# Altium PCB FOC_V1.1.PcbDoc (part 1 of 2)
Units mil, origin at the board's own origin, x right, y up, seen from the top; angles counter-clockwise.
Board outline 1873.97 x 3351.97 mil, 4 copper layers (Top Layer, Signal Layer 1, Internal Plane 1, Bottom Layer), stack 30.634 mil thick; 230 components, 135 nets, 782 pads, 565 vias.
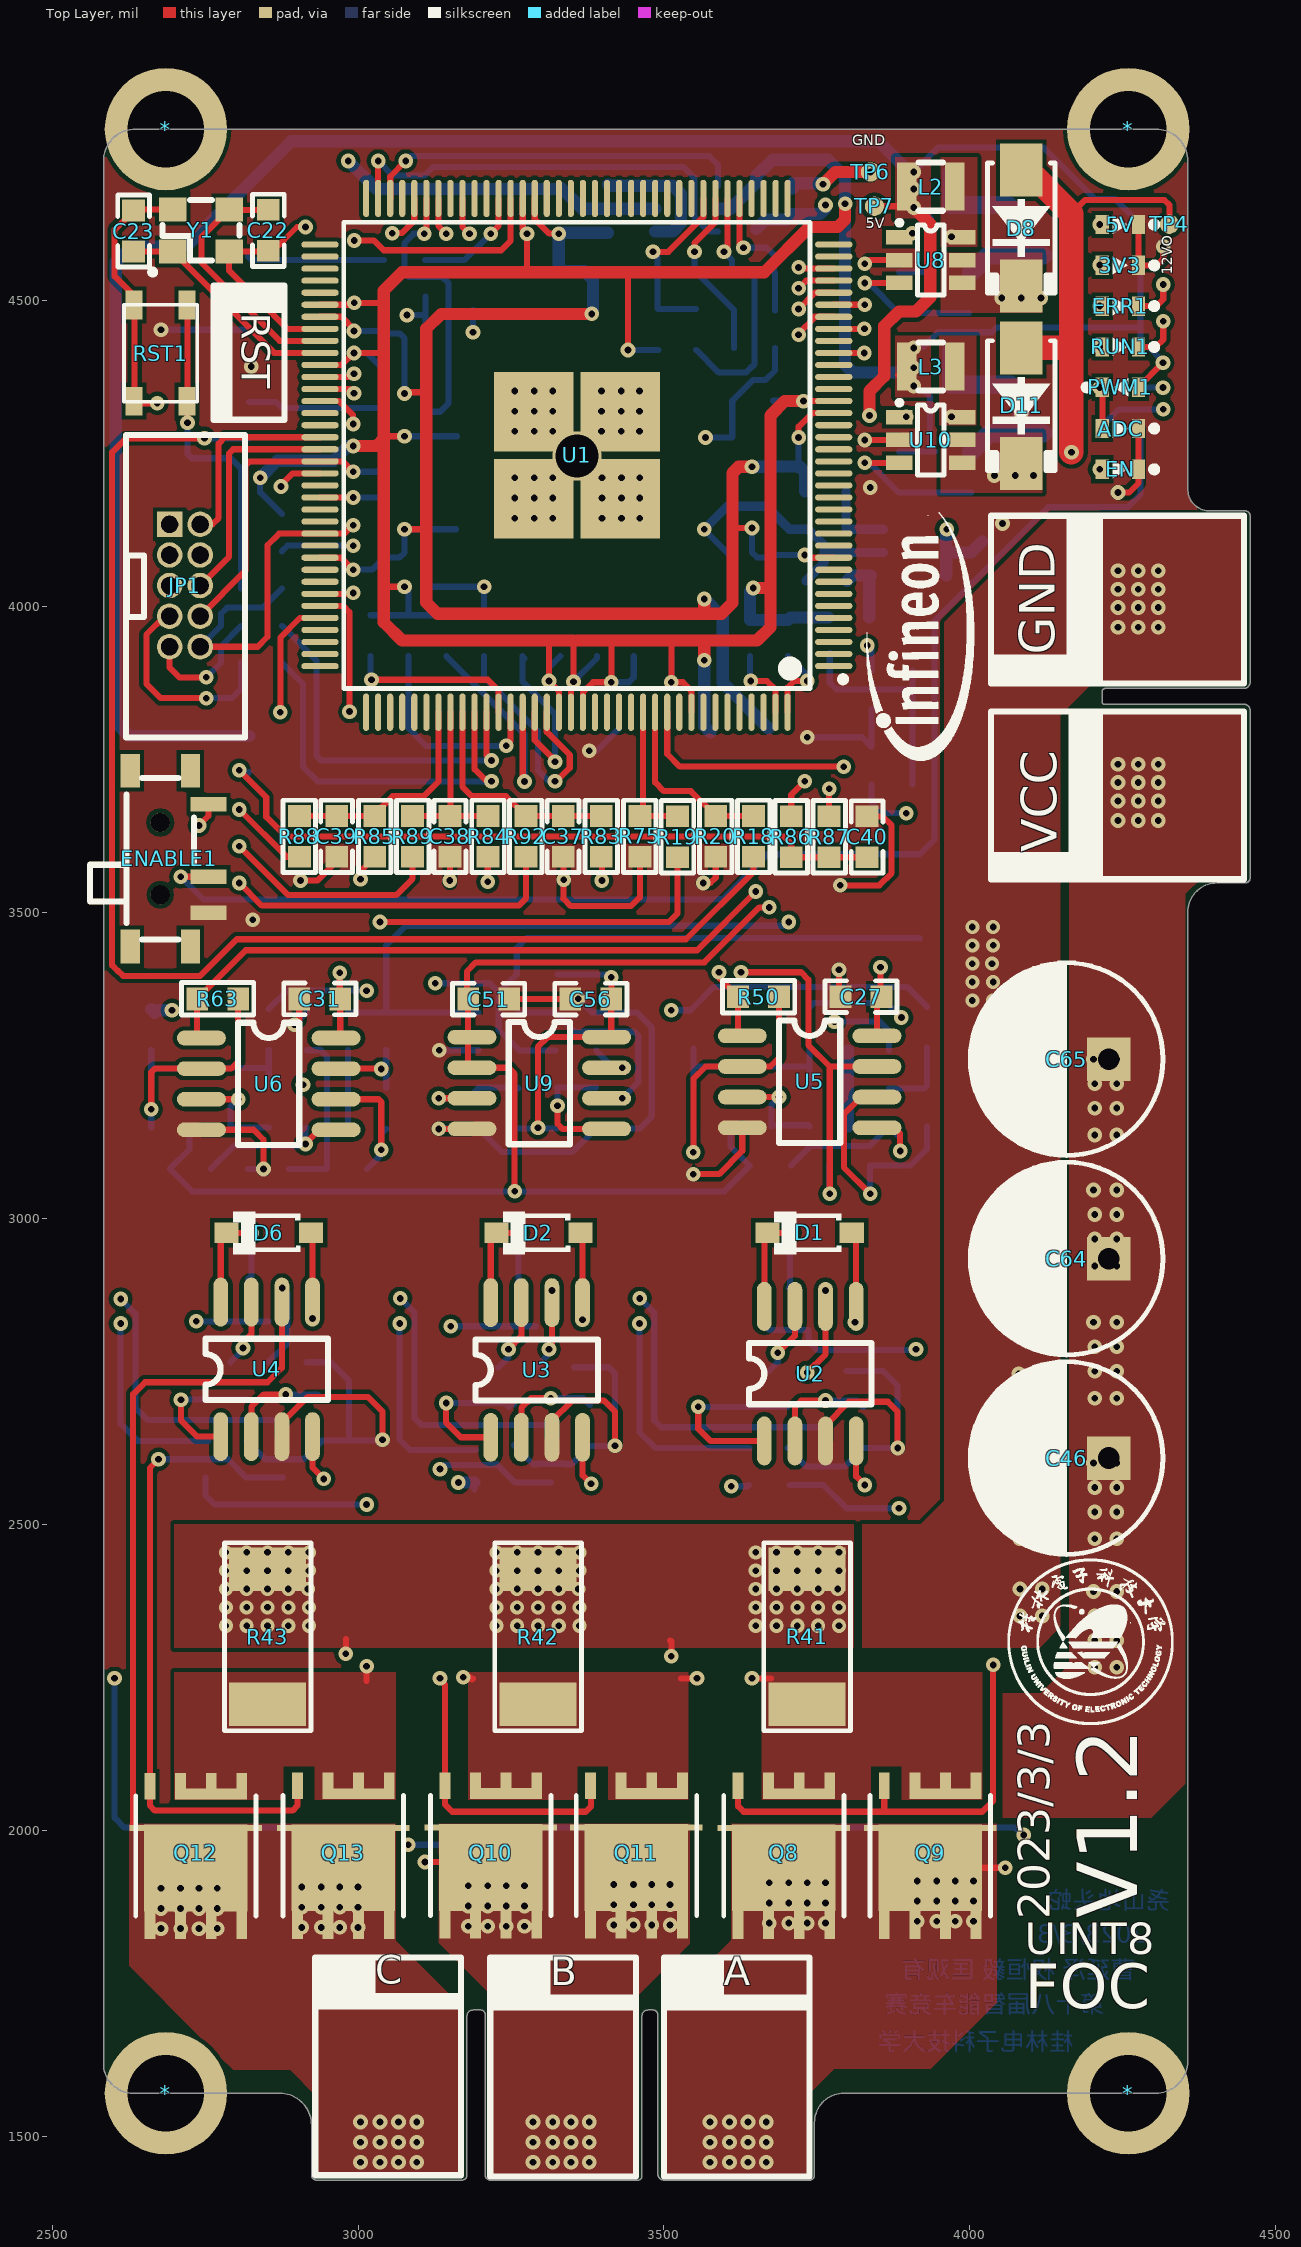
[diagram p0: Top Layer view]
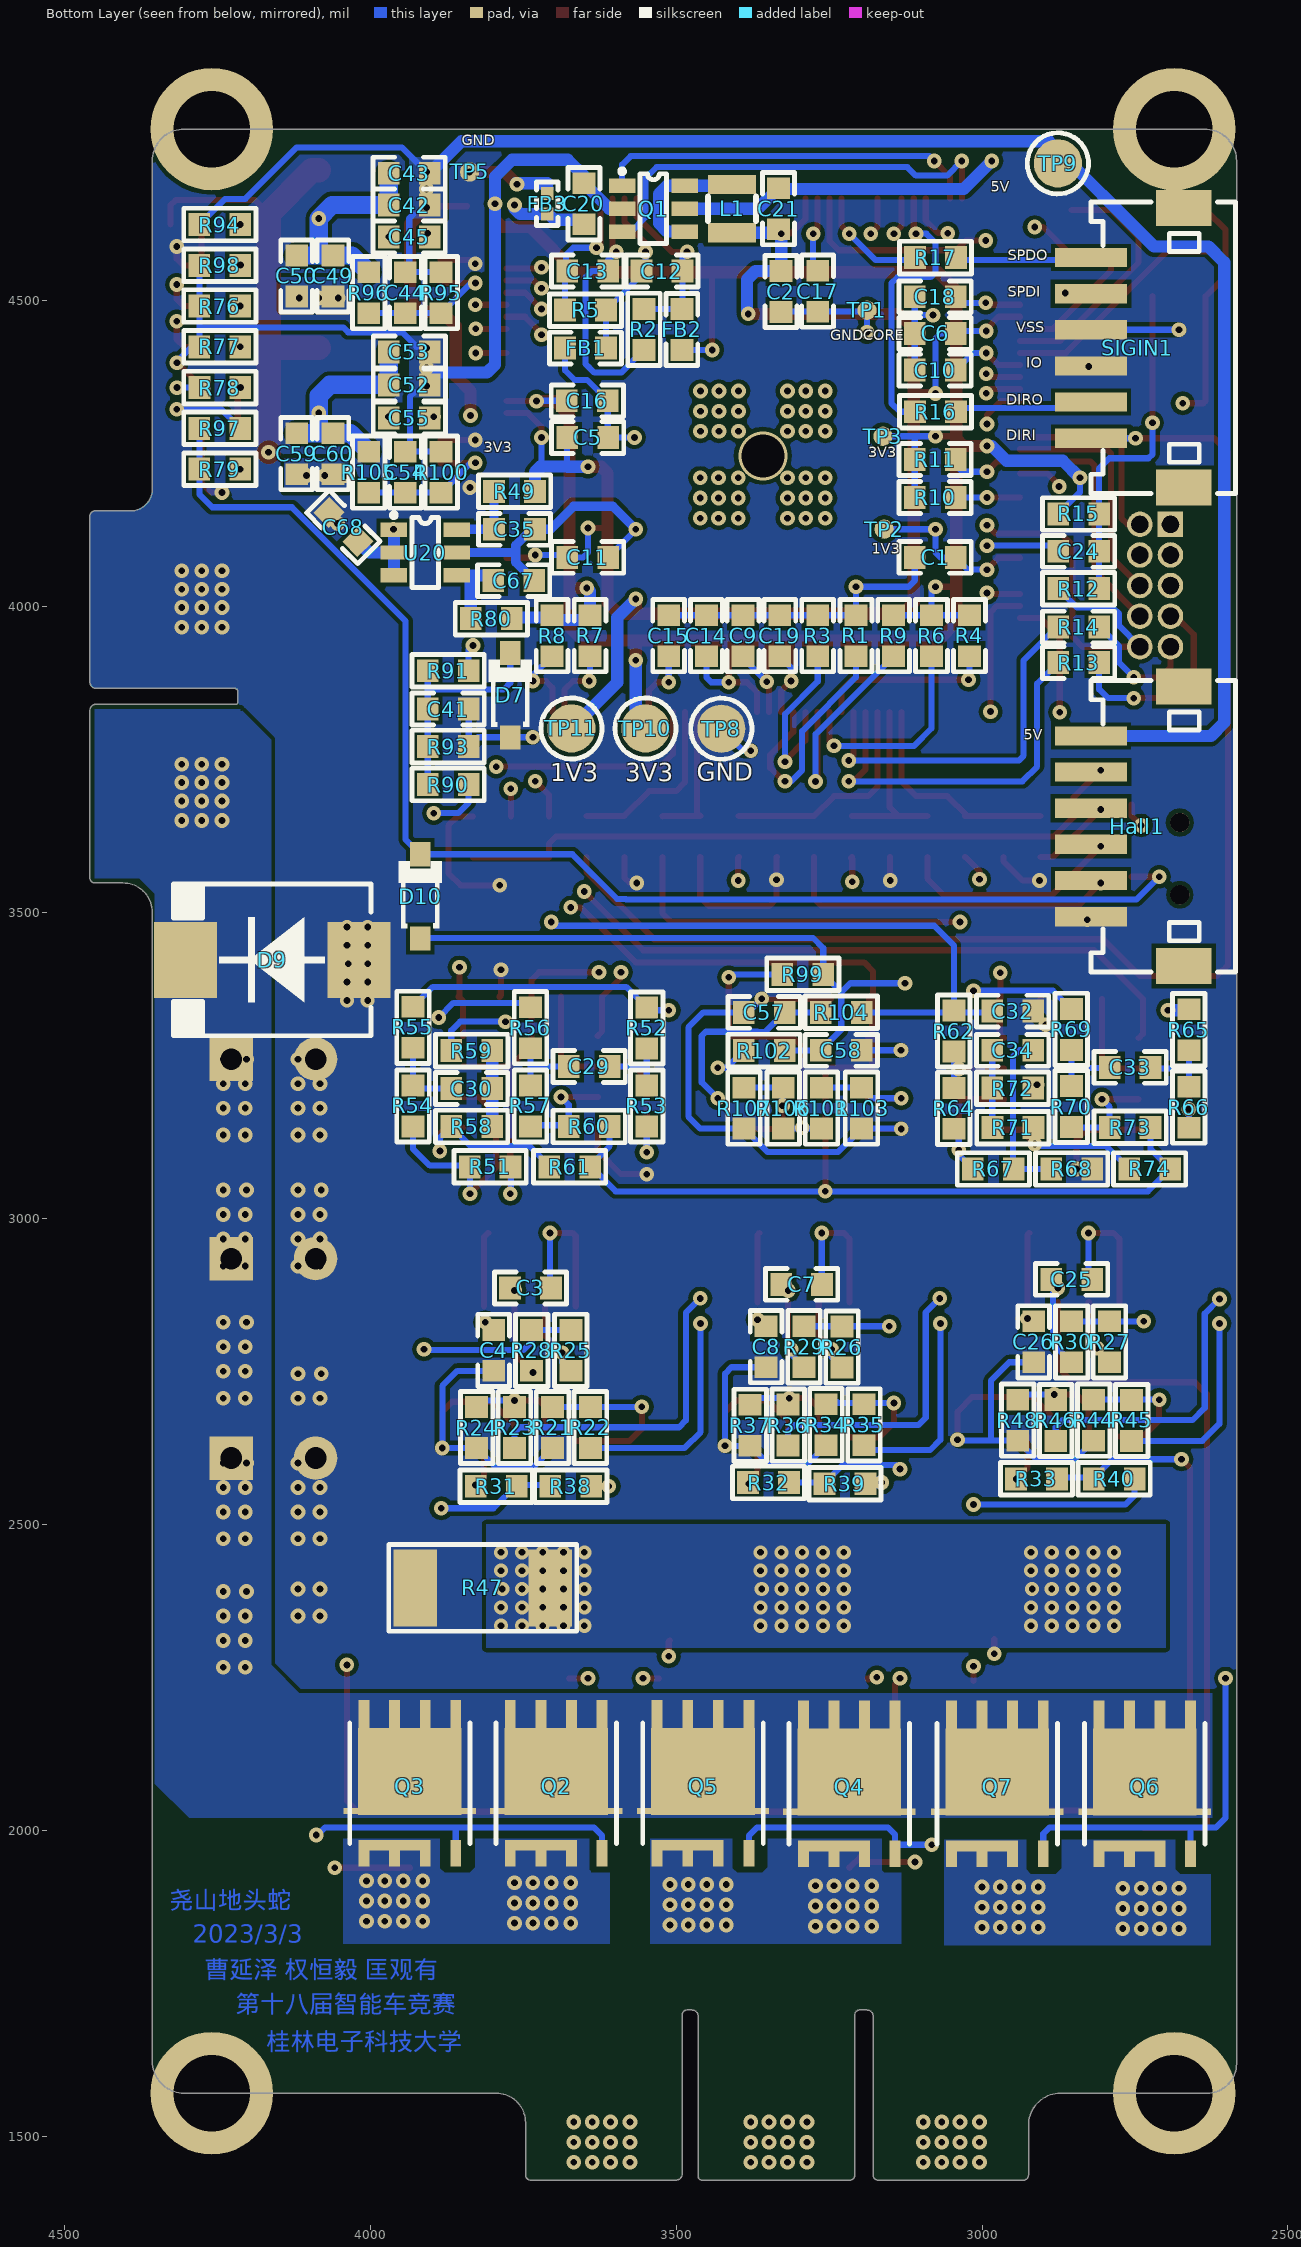
[diagram p1: Bottom Layer view, seen from below]
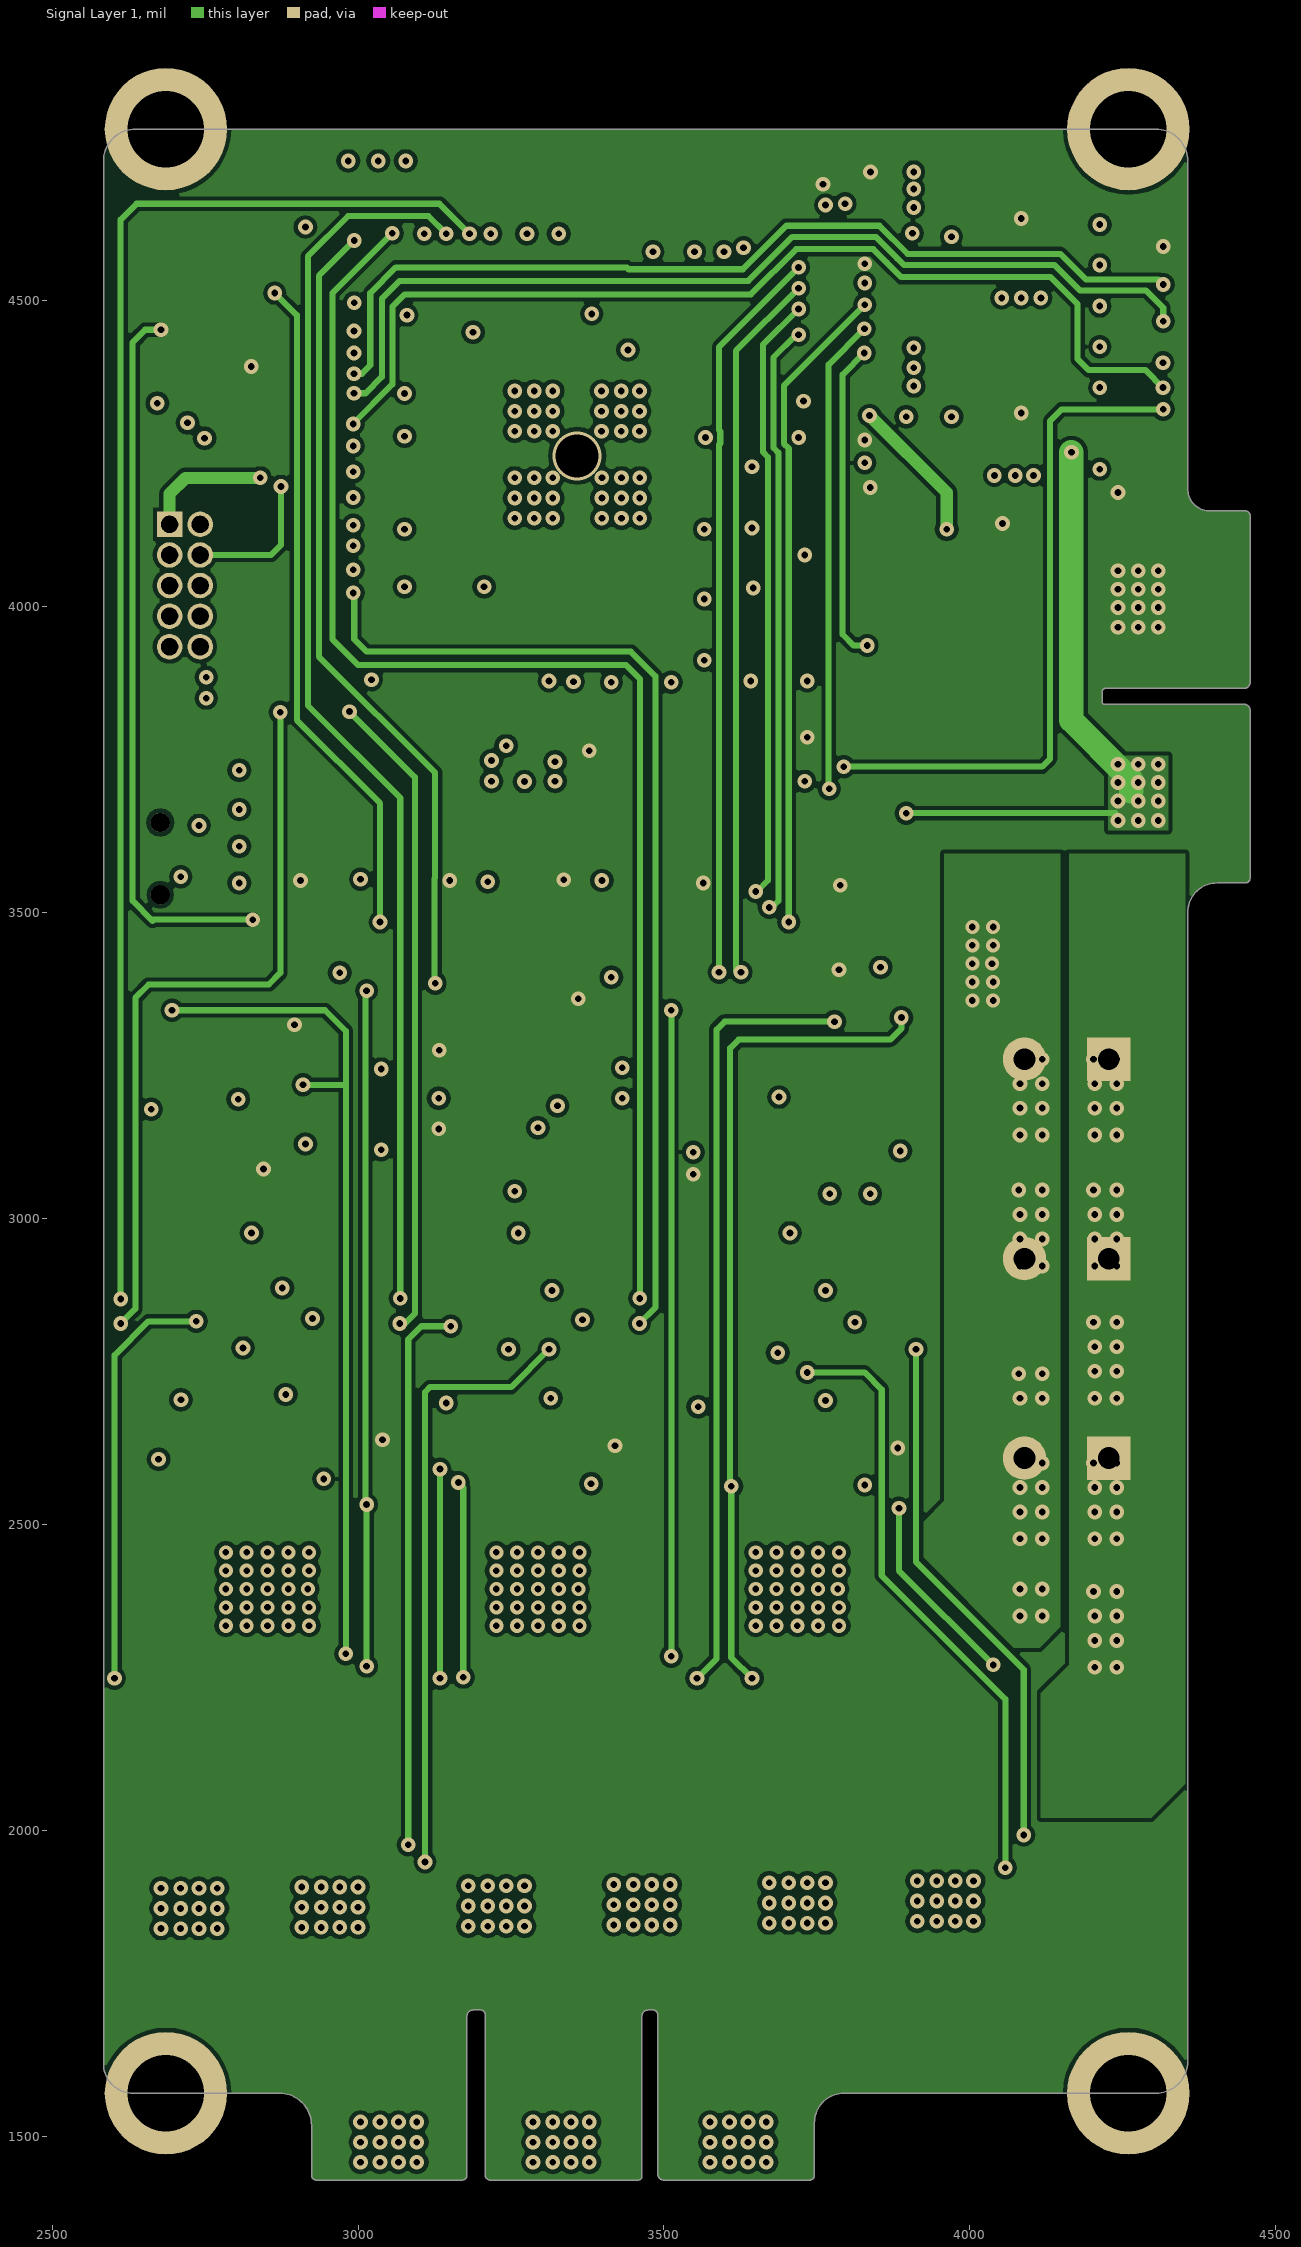
[diagram p2: Signal Layer 1]
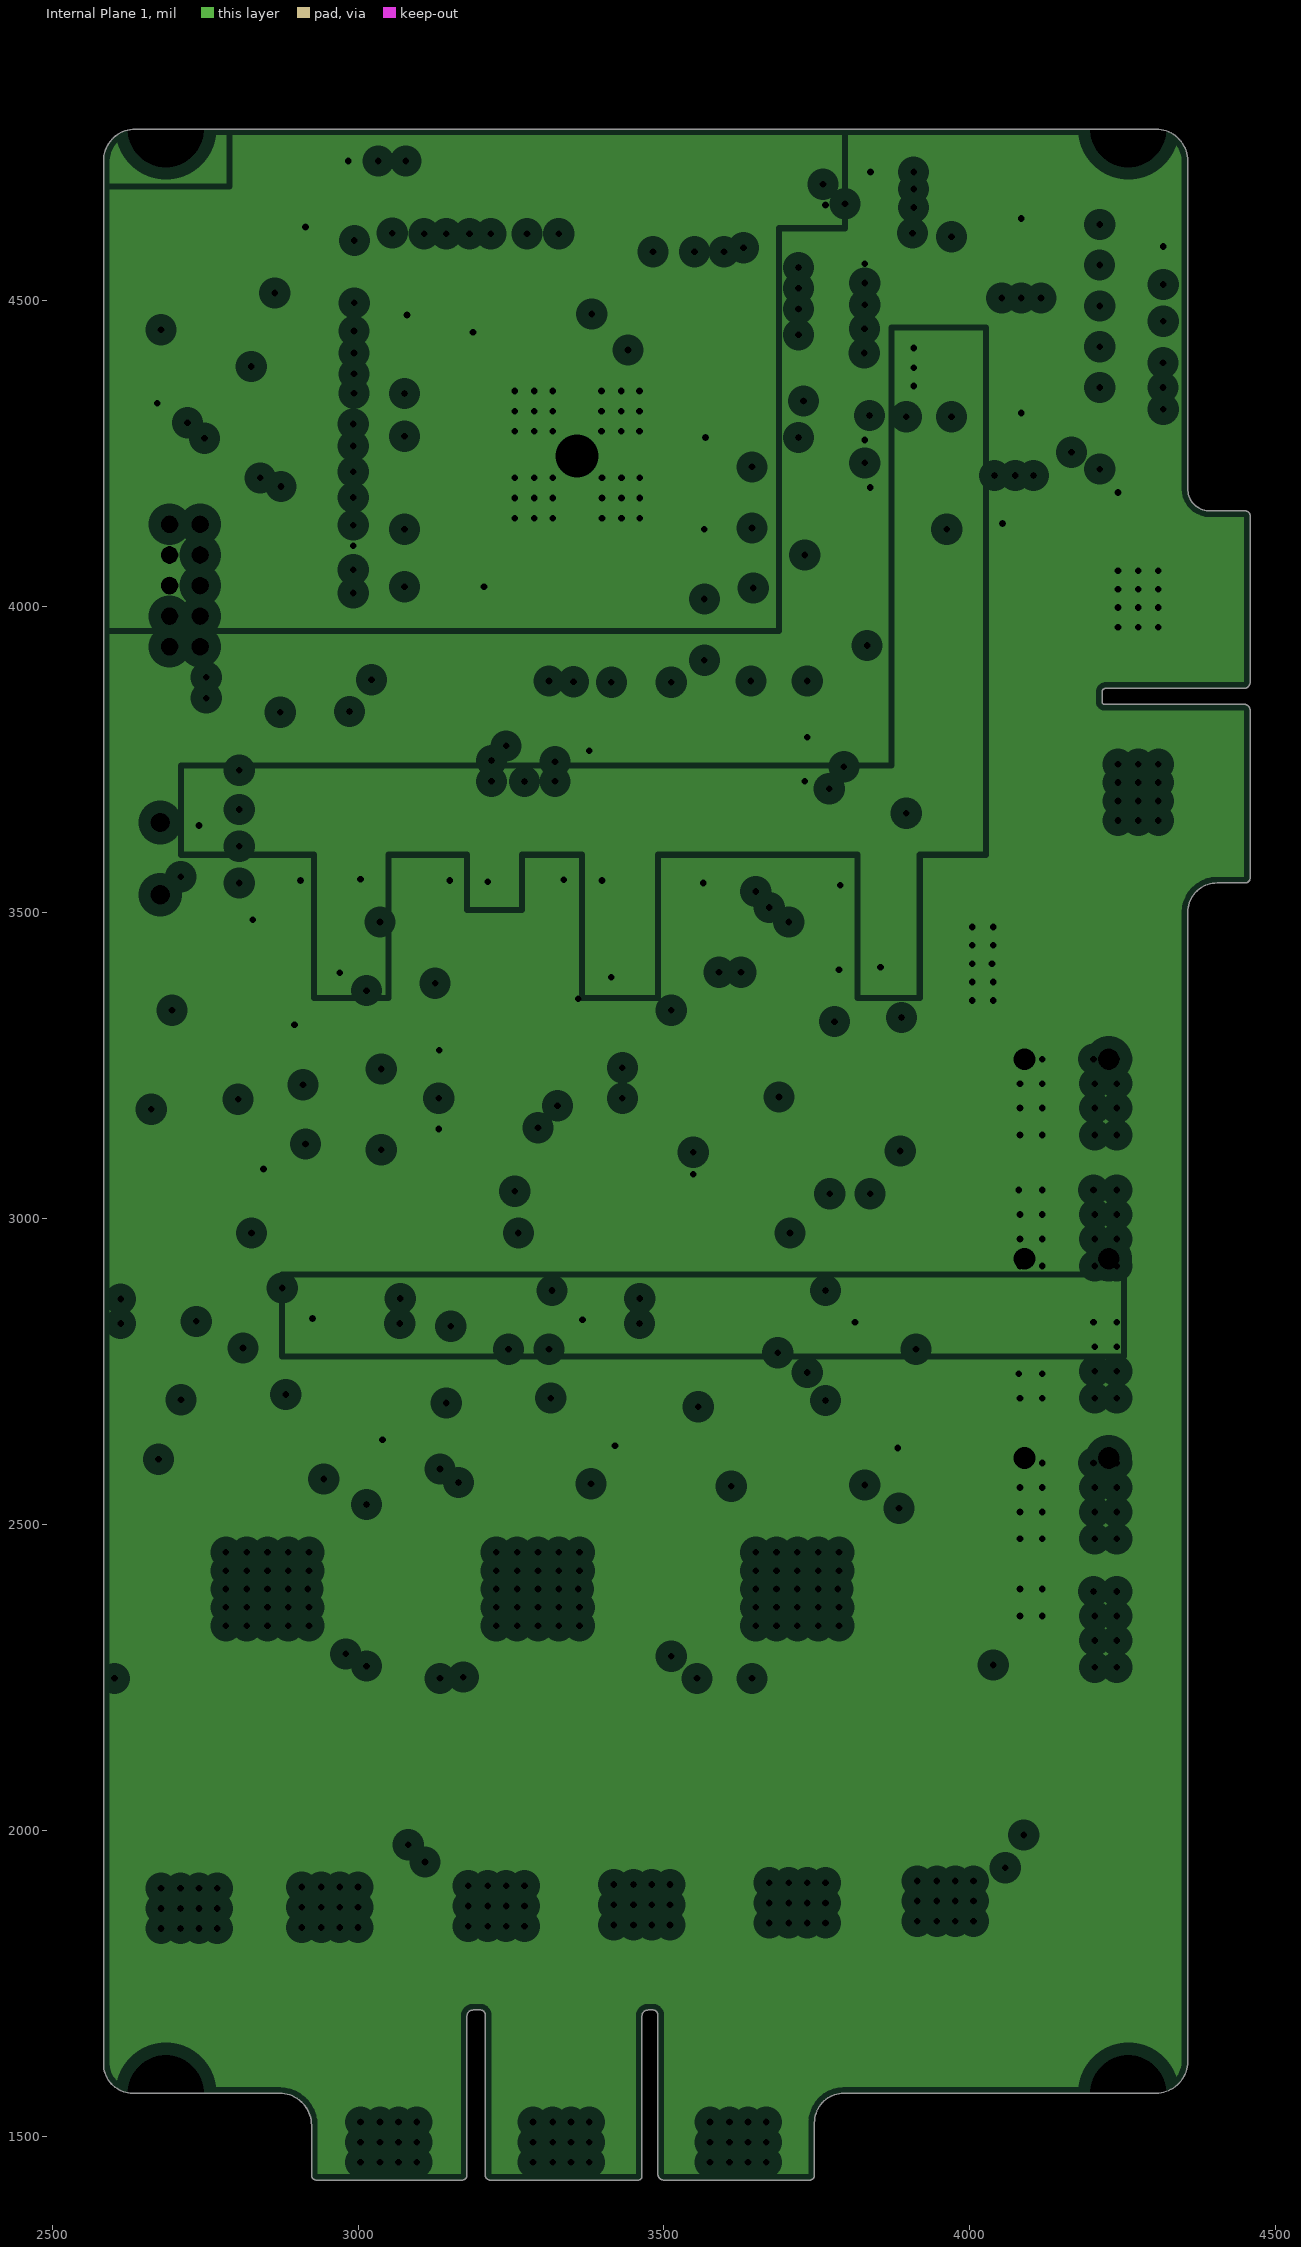
[diagram p3: Internal Plane 1, clearances drawn from the general rule]
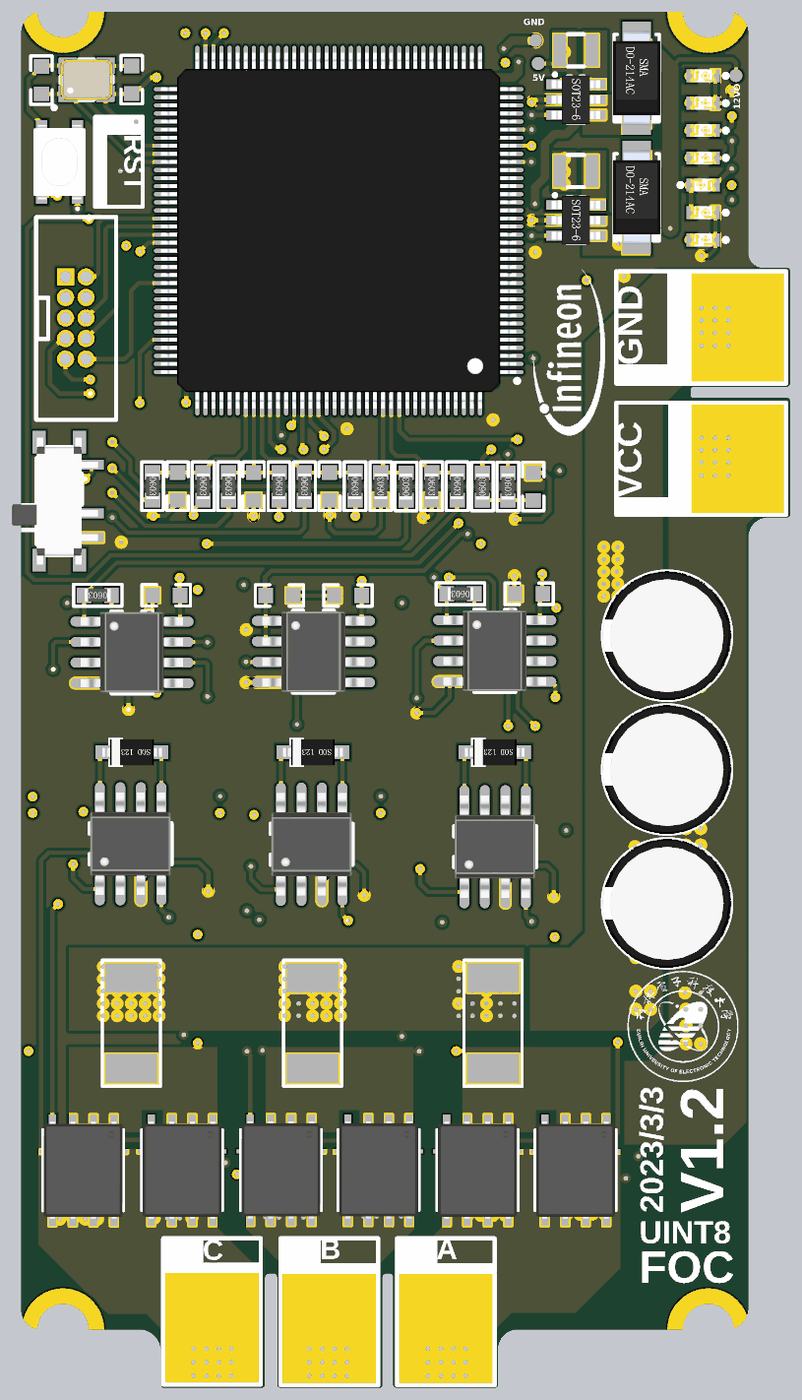
[diagram p5: 3D render of the assembled board from above, using the file's embedded part models]
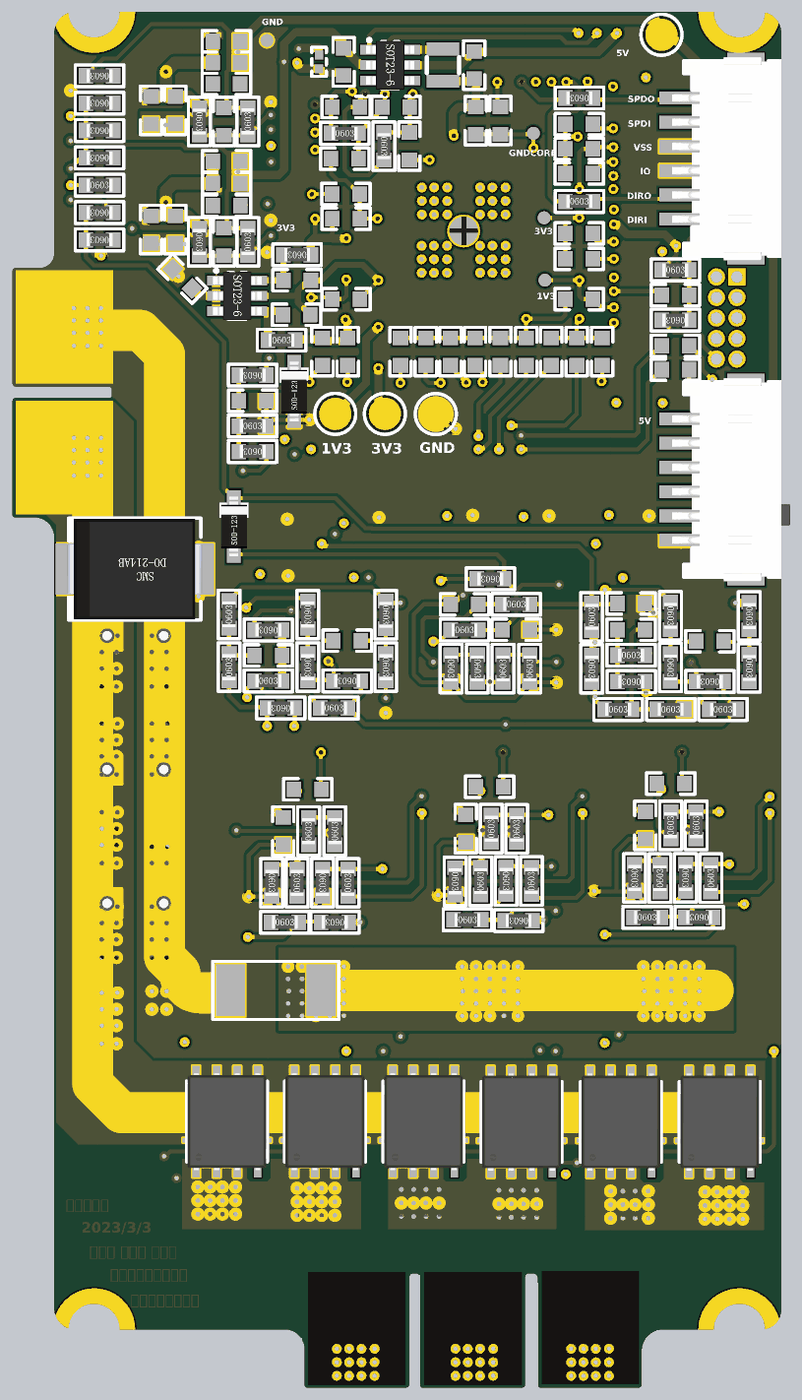
[diagram p6: 3D render of the assembled board from below, using the file's embedded part models]

## Layer stack, top to bottom
Top Solder: solder mask 0.4, Solder Resist, Dk 3.5
Top Layer: signal copper 1.4
Dielectric 1: core 10, FR-4, Dk 4.2
Signal Layer 1: signal copper 1.417
Dielectric 3: prepreg 5, Dk 4.2
Internal Plane 1: plane copper 1.417, net (Multiple Nets)
Dielectric 2: core 10, Dk 4.2
Bottom Layer: signal copper 1.4
Bottom Solder: solder mask 0.4, Solder Resist, Dk 3.5

## Board outline
2924.02,1436 ccw(c2932,1436) 2932,1428.02 3170,1428.02 ccw(c3170,1436) 3177.98,1436 3177.98,1696 cw(c3188,1696) 3188,1706.02 3200,1706.02 cw(c3200,1698) 3208.02,1698 3208.02,1436 ccw(c3216,1436) 3216,1428.02 3458,1428.02 ccw(c3458,1434) 3463.98,1434 3463.98,1696 cw(c3474,1696) 3474,1706.02 3482,1706.02 cw(c3482,1698) 3490.02,1698 3490.02,1438 ccw(c3500,1438) 3500,1428.02 3738,1428.02 ccw(c3738,1436) 3745.98,1436 3745.98,1522 cw(c3794,1522) 3794,1570.02 4304,1570.02 ccw(c4304,1622) 4355.98,1622 4355.98,3500 cw(c4404,3500) 4404,3548.02 4450,3548.02 ccw(c4450,3556) 4457.98,3556 4457.98,3830 ccw(c4448,3830) 4448,3839.98 4220,3839.98 cw(c4220,3844) 4215.98,3844 4215.98,3860 cw(c4222,3860) 4222,3866.02 4448,3866.02 ccw(c4448,3876) 4457.98,3876 4457.98,4148 ccw(c4450,4148) 4450,4155.98 4392,4155.98 cw(c4392,4192) 4355.98,4192 4355.98,4728 ccw(c4304,4728) 4304,4779.98 2636,4779.98 ccw(c2636,4728) 2584.02,4728 2584.02,1618 ccw(c2632,1618) 2632,1570.02 2871.55,1570.02 cw(c2871.55,1517.55) 2924.02,1517.55

## Design rules (kind name [scope] priority, off if disabled: settings)
Clearance [All] p1: gap=7 ignorepadtopadclearanceinfootprint=TRUE
PlaneClearance [All] p1: clearance=20
PlaneConnect [All] p1: planeconnectstyle=Direct reliefexpansion=20 reliefentries=4 reliefconductorwidth=10 reliefairgap=10
PolygonConnect [All] p1: connectstyle=Direct reliefconductorwidth=10 reliefentries=4 polygonreliefangle="90 Angle" airgapwidth=10
RoutingVias [All] p1: holewidth=28 width=50 viastyle="Through Hole" minholewidth=28 minwidth=50 maxholewidth=28 maxwidth=50
SolderMaskExpansion [All] p1: expansion=4
Width [All] p1: maxlimit=100 minlimit=10 preferedwidth=10 minimp=50.000000 maximp=50.000000 favimp=50.000000
28 further rules are at their usual default settings.

## Components (designator, comment, footprint, x,y, rotation, side; value= is the part's Value field where it differs from the comment)
3V3 "红色贴片LED" LEDC1608(0603)-L 4246,4557.33 r180 top
5V "红色贴片LED" LEDC1608(0603)-L 4246,4624 r180 top
* "M3" "M3 125X200"#1 4258.88,1570 r180 top
* "M3" "M3 125X200"#2 4282,4780 r180 top
* "M3" "M3 125X200"#3 2666,4780 r180 top
* "M3" "M3 125X200"#4 2688,1570 r180 top
ADC "蓝色贴片LED" LEDC1608(0603)-L 4246,4290.67 r180 top
C1 "100nF ±10% 50V" CAPC1608[0603]S-N 3076.54,4080 r180 bottom
C2 "100nF ±10% 50V" CAPC1608[0603]S-N 3328.54,4514.54 r90 bottom
C3 "10uF ±10% 25V" CAPC1608[0603]S-N 3738,2886 r180 bottom
C4 "22uF ±10% 25V" CAPC1608[0603]S-N 3798,2784 r90 bottom
C5 "100nF ±10% 50V" CAPC1608[0603]S-N 3644.54,4276 r0 bottom
C6 "100nF ±10% 50V" CAPC1608[0603]S-N 3076.54,4446 r180 bottom
C7 "10uF ±10% 25V" CAPC1608[0603]S-N 3294.88,2892 r180 bottom
C8 "22uF ±10% 25V" CAPC1608[0603]S-N 3352.88,2790 r90 bottom
C9 "100nF ±10% 50V" CAPC1608[0603]S-N 3390.54,3952 r270 bottom
C10 "100nF ±10% 50V" CAPC1608[0603]S-N 3076.54,4386 r180 bottom
C11 "100nF ±10% 50V" CAPC1608[0603]S-N 3644.54,4080 r0 bottom
C12 "100nF ±10% 50V" CAPC1608[0603]S-N 3523.07,4548 r180 bottom
C13 "100nF ±10% 50V" CAPC1608[0603]S-N 3644.54,4548 r180 bottom
C14 "100nF ±10% 50V" CAPC1608[0603]S-N 3450.54,3952 r270 bottom
C15 "100nF ±10% 50V" CAPC1608[0603]S-N 3512,3952 r270 bottom
C16 "100nF ±10% 50V" CAPC1608[0603]S-N 3645.07,4336 r0 bottom
C17 "100nF ±10% 50V" CAPC1608[0603]S-N 3268.54,4515.07 r90 bottom
C18 "100nF ±10% 50V" CAPC1608[0603]S-N 3076.54,4506 r180 bottom
C19 "100nF ±10% 50V" CAPC1608[0603]S-N 3330.54,3952 r270 bottom
C20 "22uF ±10% 10V" CAPC1608[0603]S-N 3650.54,4658 r90 bottom
C21 "22uF ±10% 10V" CAPC1608[0603]S-N 3332.54,4650 r270 bottom
C22 "20pF ±10% 50V" CAPC1608[0603]S-N 2853.31,4614.54 r90 top
C23 "20pF ±10% 50V" CAPC1608[0603]S-N 2633.31,4613.46 r270 top
C24 "100nF ±10% 50V" CAPC1608[0603]S-N 2842,4090 r180 bottom
C25 "10uF ±10% 25V" CAPC1608[0603]S-N 2853.51,2900 r180 bottom
C26 "22uF ±10% 25V" CAPC1608[0603]S-N 2915.51,2798 r90 bottom
C27 "100nF ±10% 50V" CAPC1608[0603]S-N 3822,3362 r0 top
C29 "100nF ±10% 50V" CAPC1608[0603]S-N 3642,3248 r0 bottom
C30 "100nF ±10% 50V" CAPC1608[0603]S-N 3834,3212 r0 bottom
C31 "100nF ±10% 50V" CAPC1608[0603]S-N 2937.46,3358.54 r0 top
C32 "1uF ±10% 25V" CAPC1608[0603]S-N 2949.89,3338.54 r0 bottom
C33 "100nF ±10% 50V" CAPC1608[0603]S-N 2758,3246.54 r0 bottom
C34 "100nF ±10% 50V" CAPC1608[0603]S-N 2949.89,3274.54 r180 bottom
C35 "1uF ±10% 10V" CAPC1608[0603]S-N 3764,4126 r180 bottom
C37 "100nF ±10% 50V" CAPC1608[0603]S-N 3335.35,3624 r90 top
C38 "100nF ±10% 50V" CAPC1608[0603]S-N 3150.26,3624 r90 top
C39 "100nF ±10% 50V" CAPC1608[0603]S-N 2965.17,3624 r90 top
C40 "100nF ±10% 50V" CAPC1608[0603]S-N 3832,3623.41 r270 top
C41 "100nF ±10% 50V" CAPC1608[0603]S-N 3872.38,3832.24 r0 bottom
C42 "22uF ±10% 25V" CAPC1608[0603]S-N 3936.3,4655.94 r180 bottom
C43 "100nF ±10% 50V" CAPC1608[0603]S-N 3936.3,4707.94 r180 bottom
C44 "220pF ±10% 25V" CAPC1608[0603]S-N 3942.57,4512.69 r90 bottom
C45 "100nF ±10% 50V" CAPC1608[0603]S-N 3936.3,4603.94 r0 bottom
C46 "470uF 25V" CAPPR3.5-8X12 4158,2608 r180 top value=470uF
C49 "100nF ±10% 50V" CAPC1608[0603]S-N 4060.86,4540 r270 bottom
C50 "100nF ±10% 50V" CAPC1608[0603]S-N 4120,4540 r270 bottom
C51 "100nF ±10% 50V" CAPC1608[0603]S-N 3213.41,3358 r0 top
C52 "22uF ±10% 25V" CAPC1608[0603]S-N 3936,4361.94 r180 bottom
C53 "100nF ±10% 50V" CAPC1608[0603]S-N 3936,4415.94 r180 bottom
C54 "220pF ±10% 25V" CAPC1608[0603]S-N 3942.57,4219.41 r90 bottom
C55 "100nF ±10% 50V" CAPC1608[0603]S-N 3936,4307.94 r0 bottom
C56 "100nF ±10% 50V" CAPC1608[0603]S-N 3380.34,3358 r180 top
C57 "100nF ±10% 50V" CAPC1608[0603]S-N 3356,3336.54 r0 bottom
C58 "100nF ±10% 50V" CAPC1608[0603]S-N 3230,3274.54 r0 bottom
C59 "100nF ±10% 50V" CAPC1608[0603]S-N 4120,4249.46 r270 bottom
C60 "100nF ±10% 50V" CAPC1608[0603]S-N 4060.86,4249.46 r270 bottom
C64 "470uF 25V" CAPPR3.5-8X12 4158,2934 r180 top value=470uF
C65 "470uF 25V" CAPPR3.5-8X12 4158,3260 r180 top value=470uF
C67 "1uF ±10% 10V" CAPC1608[0603]S-N 3765.46,4042 r180 bottom
C68 "1uF ±10% 10V" CAPC1608[0603]S-N 4043.66,4129.66 r225 bottom
D1 "1N5819" SOD-123-L 3738,2976 r180 top
D2 "1N5819" SOD-123-L 3294.88,2976 r180 top
D6 "1N5819" SOD-123-L 2854,2976 r180 top
D7 "MMSZ3V6" SOD-123-L 3771,3854.9 r90 bottom
D8 "SS54" SMA[DO-214AC] 4084,4618.31 r270 top
D9 "SMDJ20CA" SMC[DO-214AB] 4160,3422.19 r0 bottom
D10 "1N5819" SOD-123-L 3918,3526 r90 bottom
D11 "SS54" SMA[DO-214AC] 4084,4327.94 r270 top